# Altium PCB Arribada-PMP-PCB_ALEKSEJ_nov.-02-115654-2020_Conflict.PcbDoc (part 4 of 4)
Units mm, origin at the board's own origin, x right, y up, seen from the top; angles counter-clockwise.
Board outline 176.52 x 112.75 mm, 2 copper layers (Top Layer, Bottom Layer), stack 1.671 mm thick; 155 components, 107 nets, 633 pads, 982 vias.
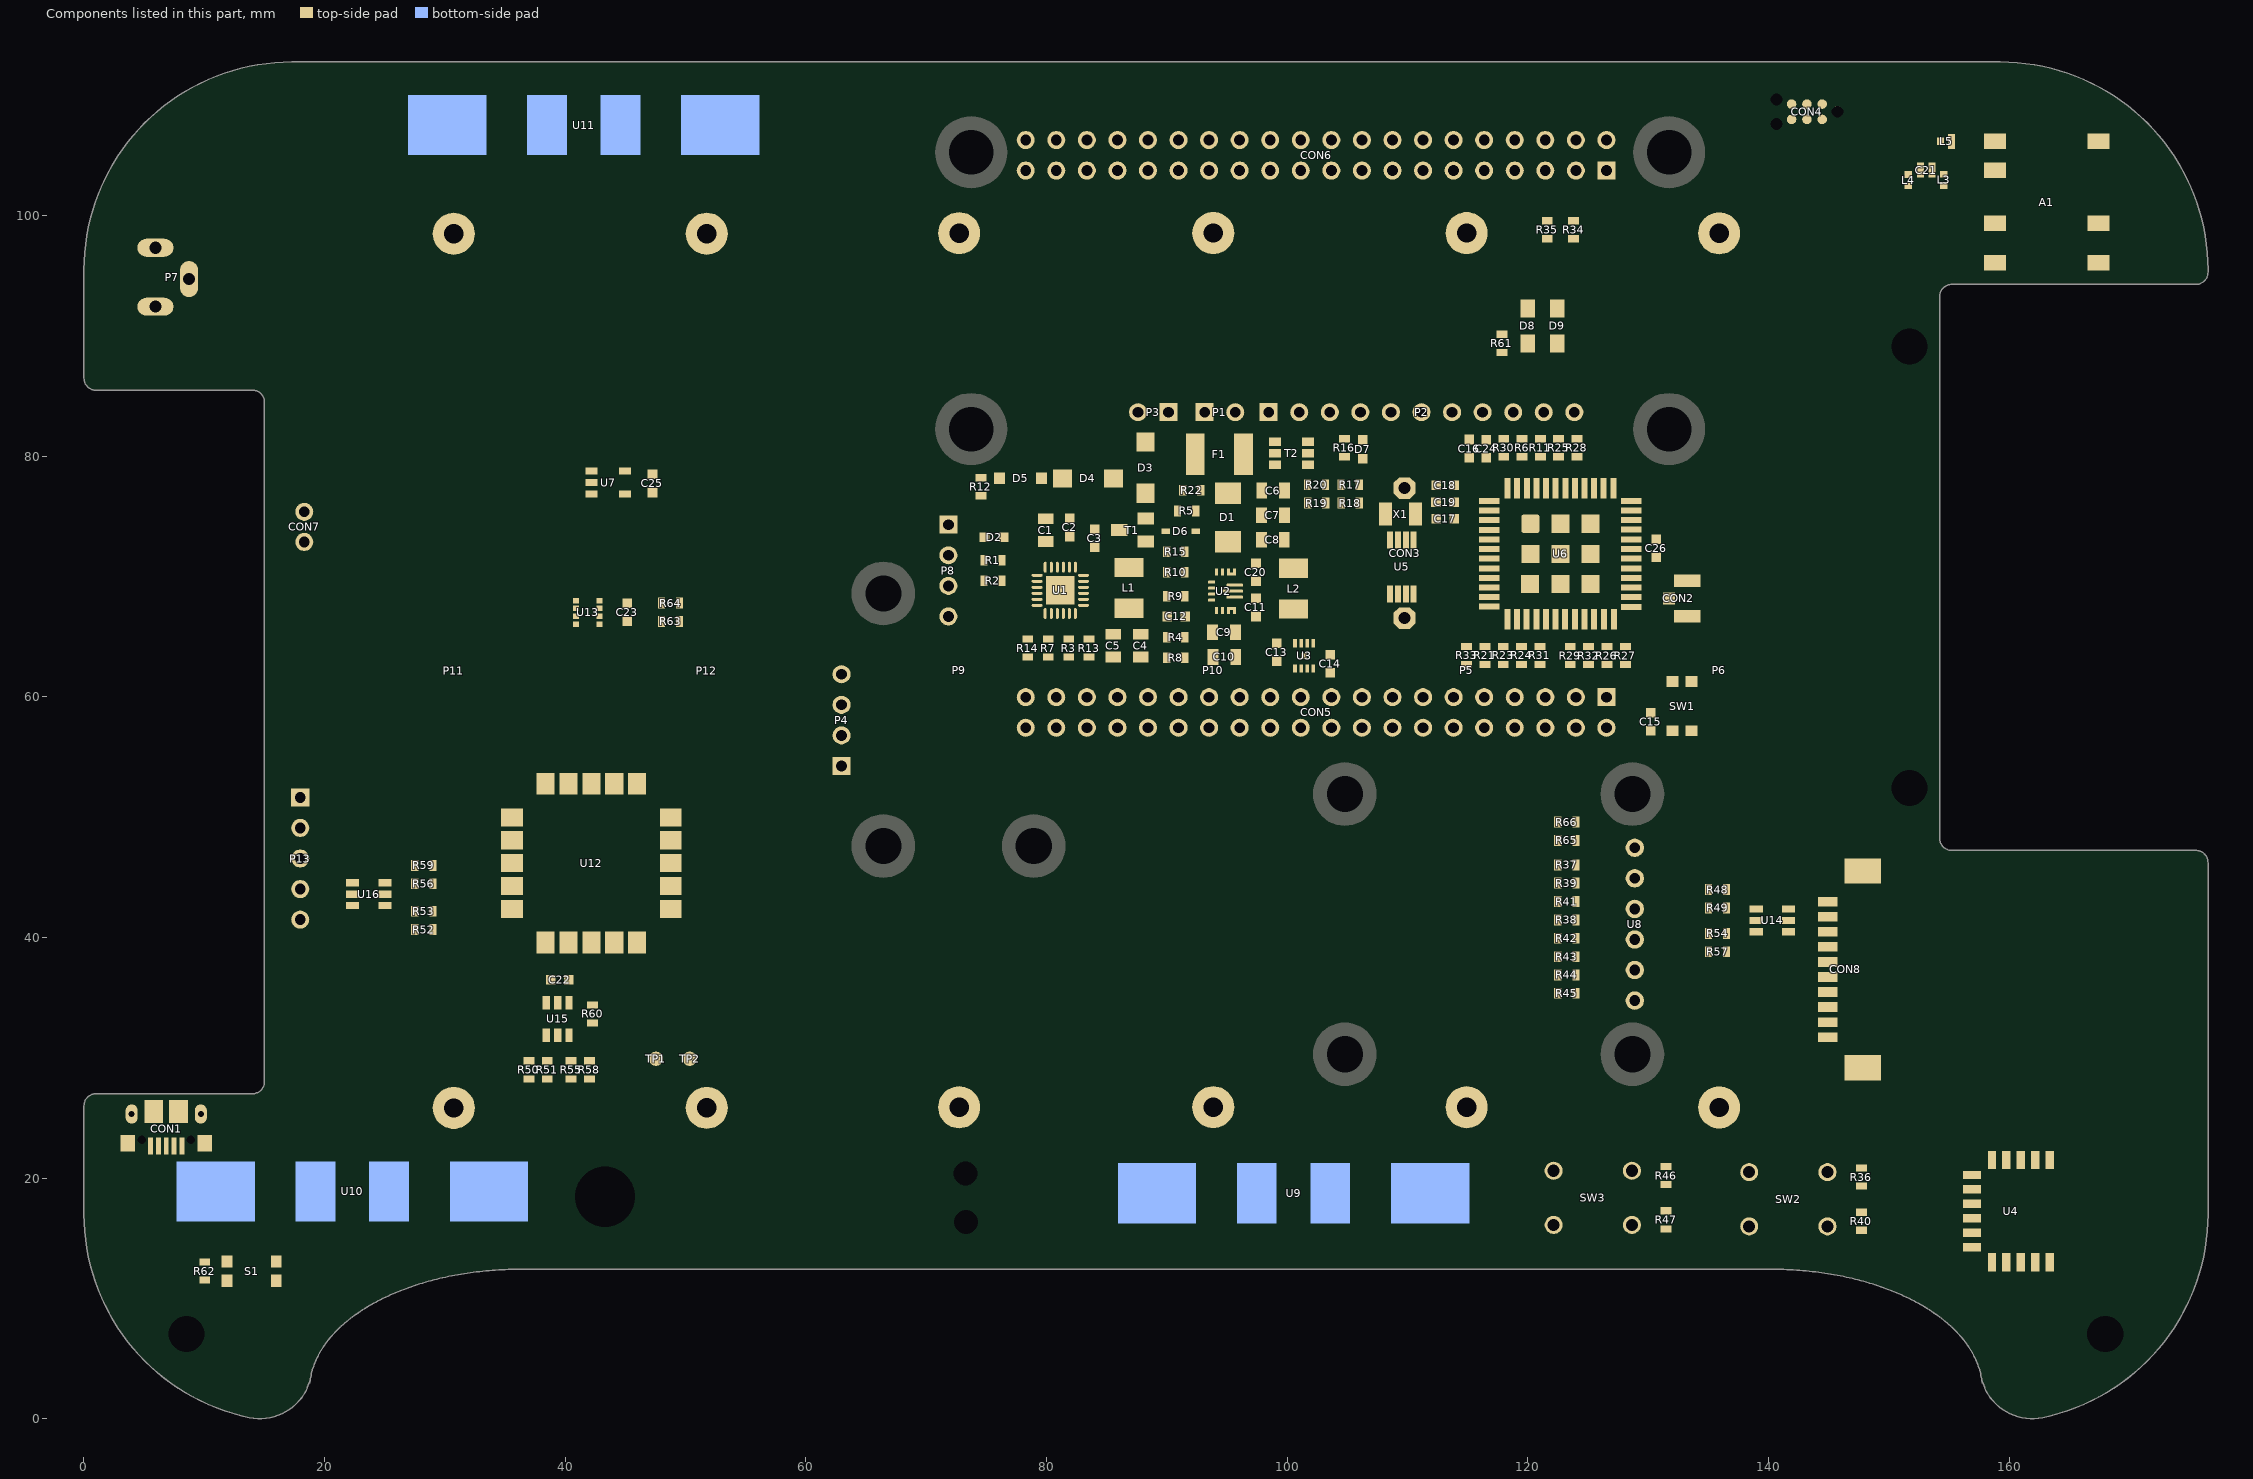
[diagram p4: the components of this part, seen from the top]

## Polygon pours and split planes (outlines as drawn) (continued)
NetC3_1 on Top Layer "NetC3_1" (solid, remove dead copper, shelved, pour order 38): 81.837,70.451 85.637,70.451 85.637,69.951 88.037,69.951 88.037,71.551 84.837,71.551 84.437,71.951 84.437,72.751 83.337,72.751 81.837,71.251
VBUS on Top Layer "NONET_L01_P036" (solid, remove dead copper, shelved, pour order 36): 79.957,70.451 79.757,70.451 79.557,70.251 79.557,70.051 77.357,70.051 76.457,70.951 75.957,70.951 75.957,71.751 77.657,71.751 77.657,77.251 79.357,78.951 82.307,78.951 82.307,81.651 82.657,81.651 82.657,80.251 83.157,79.751 83.157,77.451 79.657,77.451 78.657,76.451 78.657,72.351 79.957,71.051
GND on Bottom Layer "Bottom Layer-GND" (solid, remove dead copper, shelved, pour order 47): 535 vertices, not listed, extent 0,0.012 176.52,112.758

## Keep-outs
Keep-Out Layer:
  drawing of 1856 lines, arcs and shapes, not listed

## Other copper
Top Layer:
  region net GND: 85.067,70.071 82.197,70.071 82.197,69.641 85.067,69.641
  region net GND: 85.077,70.271 83.717,70.271 83.717,69.441 85.077,69.441
  rectangle net NetL2_1: 94.957,69.171 96.432,69.871
  region net NetL2_2: 96.432,68.271 94.957,68.271 94.957,67.671 96.432,67.671
  region net GND: 94.788,69.621 94.207,69.621 94.207,67.896 94.788,67.896
  region net NetL2_1: 101.727,72.071 99.337,72.071 99.337,71.201 101.727,71.201
  region net NetL2_2: 101.727,66.891 99.327,66.891 99.327,66.031 101.727,66.031
  region net VBAT: 98.247,64.121 97.047,64.121 97.047,63.521 98.247,63.521
  region net GND: 101.707,69.721 98.267,69.721 98.267,68.276 101.707,68.276
  pour cut-out: 163.605,0.511 163.605,47.233 175.513,47.233 cw(c175.513,46.226) 176.52,46.226 176.52,13.323 cw(c163.708,13.323)
  pour cut-out: 39.65,69.448 39.65,64.919 44.735,64.919 44.735,69.499
  pour cut-out: 157.585,94.171 157.585,107.271 176.52,107.271 176.52,94.275
  region net LORA_ANT: 129.135,68.497 131.736,68.791 131.736,67.551 129.135,68.098
  region net NetR22_1: 83.062,67.483 83.062,68.221 84.417,68.221 84.677,67.961 84.677,66.261 84.687,66.251 83.627,66.251 83.627,67.406 83.547,67.486
  region net NetD3_1: 88.967,76.141 86.037,76.141 84.767,77.411 84.767,78.901 87.787,78.901 88.967,77.721
  region net NetR22_1: 91.607,76.711 89.917,76.711 89.507,77.121 89.507,79.341 90.817,79.341 90.827,79.331 90.827,78.091 91.317,77.601 91.617,77.601
  region net GND: 95.907,68.646 95.907,68.896 96.782,68.896 97.032,69.146 97.032,69.946 99.137,69.946 99.137,67.721 97.822,67.721 97.032,67.721 97.032,68.421 96.807,68.646
Bottom Layer:
  region net NetR22_1: 90.827,79.351 89.507,79.351 89.507,76.711 90.827,76.711
  region net NetR22_1: 84.677,68.231 83.627,68.231 83.627,66.251 84.677,66.251
  region net VBAT: 96.877,71.511 95.567,71.511 95.567,70.721 96.877,70.721
  region net VBAT: 98.237,64.121 97.037,64.121 97.037,63.521 98.237,63.521
  pour cut-out: 39.615,69.411 39.615,64.882 44.745,64.882 44.745,69.462
  pour cut-out: 157.585,94.171 157.585,107.261 176.52,107.261 176.52,94.269
  pour cut-out: 163.645,0.471 163.605,0.511 163.605,47.233 176.52,47.233 176.52,0.368
  region net NetL2_2: 94.957,68.371 94.957,67.671 96.482,67.671 98.107,66.046 101.832,66.046 101.832,66.771 101.857,66.796 100.557,68.096 97.382,68.096 97.107,68.371
  region net NetL2_1: 94.957,69.171 94.957,69.871 96.482,69.871 98.682,72.071 101.832,72.071 101.832,70.771 101.857,70.746 101.007,69.896 97.832,69.896 97.107,69.171

## Silkscreen, mask and mechanical layers (free items; w line width, h text height)
Top Overlay:
  drawing of 1137 lines, arcs and shapes, not listed
  text "LoRa antenna" at 150.166,110.381 h1.2
  text "Raspberry Pi Zero" at 70.486,110.361 h1.2
  text "Solar charge" at 14.816,110.211 h1.2
  text "Serial number" at 32.506,110.211 h1.2
  text "Tag connect" at 137.285,95.511 h1.1
  text "Arribada PMP" at 34.175,87.071 h2.8
  text "-" at 93.407,85.827 h1 r180
  text "-" at 88.563,84.981 h1 r90
  text "-" at 93.603,84.951 h1 r90
  text "-" at 89.827,84.905 h1
  text "-" at 95.687,84.861 h1
  text "-" at 87.687,84.855 h1
  text "V1.1" at 34.095,83.221 h2.8
  text "+" at 85.382,83.127 h1
  text "EEPROM" at 32.715,79.901 h1.2
  text "ROCK BLOCK or LACUNA" at 137.375,79.161 h1.2 r270
  text "-" at 24.345,75.081 h1.4 r90
  text "+" at 23.265,72.051 h1.4
  text "Microclimate sensor" at 33.285,71.981 h1.2
  text "Raspberry Pi camera" at 57.926,67.611 h1.2 r270
  text "Ultrasonic" at 17.196,60.191 h1.2
  text "GPS sensor" at 31.896,60.081 h1.2
  text "sensor" at 17.096,58.491 h1.2
  text "PIRA SMART" at 70.546,51.861 h1.2
  text "Display" at 100.216,34.961 h1.2 r270
  text "Bluetooth" at 154.955,24.371 h1.2
  text "Button 1" at 121.165,23.261 h1.4
  text "Button 2" at 137.615,23.261 h1.4
  text "Hex key" at 41.795,22.821 h1.2
  text "Battery" at 18.665,21.201 h1.4
  text "activate" at 18.035,19.071 h1.4
  text "USB" at 4.575,18.671 h1.4
Bottom Overlay:
  region: 122.537,71.141 114.917,71.141 114.917,68.001 122.537,68.001
  lines w0.1: 104.907,79.341 105.657,79.341
  lines w0.2: 84.867,81.551 84.867,81.811 85.887,82.831 ; 91.987,80.901 92.427,80.901 92.977,81.452 92.977,81.461 ; 108.977,75.521 110.587,75.521 ; 109.007,64.271 110.617,64.271 ; 109.832,63.491 109.832,65.101 ; 86.327,82.381 91.407,82.381 91.407,84.921 86.327,84.921 86.327,82.381 ; 91.867,82.381 91.867,84.921 96.947,84.921 96.947,82.381 91.867,82.381
  text "USB" at 79.921,84.397 h1 r180
  text "5V" at 99.297,82.651 h0.8 r180
  text "3V" at 102.267,82.651 h0.8 r90
  text "-" at 95.277,82.491 h1 r180
  text "+" at 92.907,82.321 h1 r180
  text "+" at 87.357,82.261 h1 r180
  text "-" at 89.657,82.241 h1 r180
  text "PH0" at 104.237,82.191 h0.8 r90
  text "PA5" at 106.877,82.191 h0.8 r90
  text "PB5" at 109.317,82.191 h0.8 r90
  text "PB7" at 111.637,82.191 h0.8 r90
  text "BLE RX" at 114.257,82.191 h0.8 r90
  text "BLE TX" at 116.687,82.191 h0.8 r90
  text "UART1 TX" at 119.317,82.191 h0.8 r90
  text "UART1 RX" at 121.937,82.191 h0.8 r90
  text "GND" at 124.566,82.191 h0.8 r90
  text "BAT" at 89.167,81.231 h1 r180
  text "SOLAR" at 83.607,81.211 h1 r180
  text "irnas.eu" at 71.877,78.121 h2 r180
  text "GND" at 73.497,74.891 h0.8 r180
  text "CERN OHL" at 110.257,72.961 h1.5 r180
  text "SCL" at 73.517,72.061 h0.8 r180
  text "No." at 110.237,70.471 h2 r180
  text ".Version" at 77.907,70.231 h2 r180
  text "SDA" at 73.657,69.731 h0.8 r180
  text "3V" at 73.567,67.334 h0.8 r180
  text "Smart" at 77.847,67.334 h2 r180
  text "PiRA" at 77.847,64.361 h2 r180
Mechanical 1:
  drawing of 268 lines, arcs and shapes, not listed

## Text inside footprints (layer, text, board x,y; h text height)
CON5: Top Assembly "1" at 129.065,60.476 h1.27 r180; Top Assembly "2" at 129.065,57.936 h1.27 r180; Top Assembly "39" at 76.233,60.476 h1.27 r180; Top Assembly "40" at 76.233,57.936 h1.27 r180; Top Overlay "1" at 122.487,53.961 h0 r172.41; Top Overlay "40" at 78.237,54.271 h0 r180; Top Overlay "39" at 75.127,53.821 h0 r180
CON6: Bottom Assembly "40" at 76.232,105.763 h1.27; Bottom Assembly "39" at 76.232,103.223 h1.27; Bottom Assembly "2" at 129.064,105.763 h1.27; Bottom Assembly "1" at 129.064,103.223 h1.27
U9: Bottom Overlay "B+" at 87.199,15.441 h1.5 r180; Bottom Overlay "B-" at 110.845,15.441 h1.5 r180; Bottom Overlay "P+" at 95.998,15.441 h1.5 r180; Bottom Overlay "P-" at 102.309,15.441 h1.5 r180
U10: Bottom Overlay "B+" at 8.816,15.271 h1.5 r180; Bottom Overlay "B-" at 31.806,15.271 h1.5 r180; Bottom Overlay "P+" at 17.876,15.271 h1.5 r180; Bottom Overlay "P-" at 24.336,15.271 h1.5 r180
U11: Bottom Overlay "B+" at 28.986,112.761 h1.5 r180; Bottom Overlay "B-" at 52.256,112.761 h1.5 r180; Bottom Overlay "P+" at 37.316,112.761 h1.5 r180; Bottom Overlay "P-" at 43.756,112.761 h1.5 r180
?: Top Overlay "Designed by irnas.eu" at 48.12,92.521 h0.8 r90; Top Overlay "SER. No." at 36.48,102.671 h1